# KiCad board reg.kicad_pcb (continued)
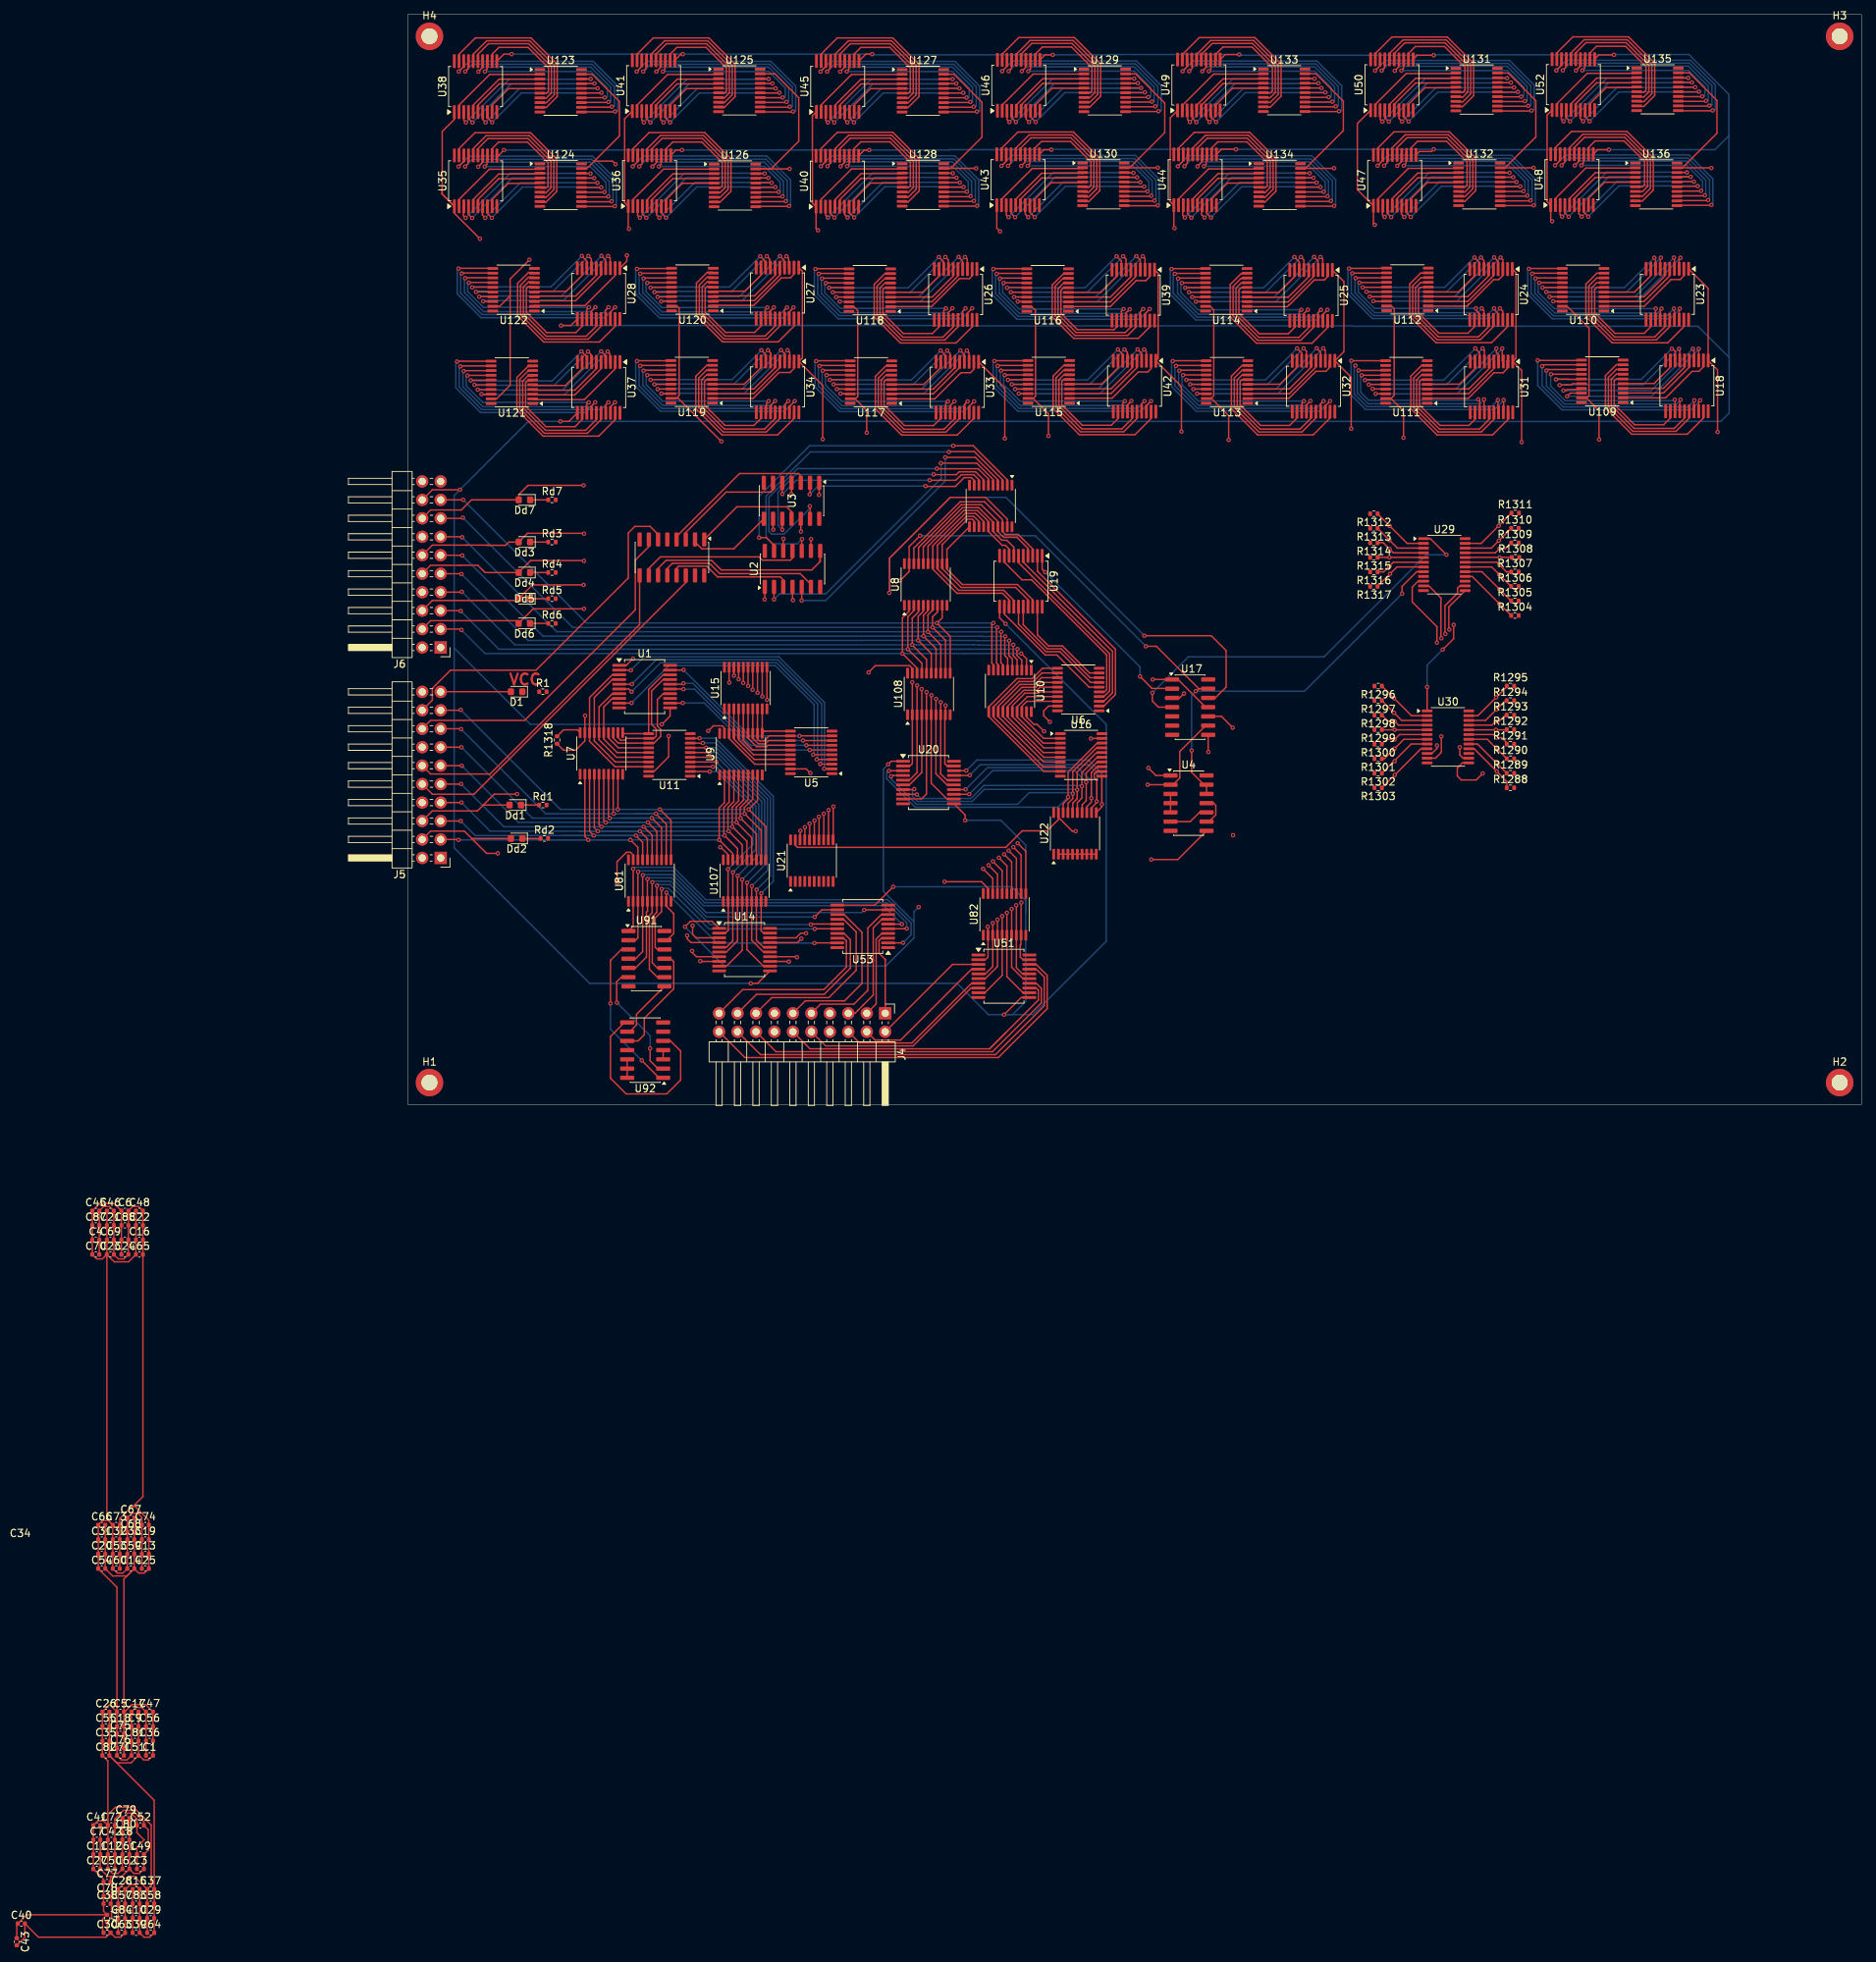
[diagram p0: board, top side]
## Routing (per net, layer and track width the routed paths; a pad name or vN(x,y) marks a point on that pad's centre or on a via; arc(x,y) is an arc through that point) (continued)
/OUT_7_10: length 242.5
  Top w0.2: U30.21 149.16,52.2 v1(149.69,52.72) 150.15,52.72 151.2,53.78 ; U125.19 50.52,141.83 53.8,138.55 53.8,132.56 49.99,128.75 U126.19 v1(52.55,128.75) 52.6,128.8
  In3.Cu w0.2: v1(149.69,52.72) 154.05,52.72 181.9,80.58 181.9,112.43 176.01,118.32 66.03,118.32 55.55,128.8 52.6,128.8 v1(52.55,128.75)
/OUT_7_11: length 216
  Top w0.2: U127.19 75.15,141.78 79,137.93 79,133.12 74.71,128.83 U128.19 v1(78.2,128.83) ; 151.2,51.78 150.98,51.55 v1(149.71,51.55) U30.20
  In3.Cu w0.2: v1(78.2,128.83) 78.23,128.8 81.05,128.8 91.13,118.72 176.18,118.72 182.3,112.6 182.3,80.41 153.44,51.55 v1(149.71,51.55)
/OUT_7_12: length 193
  Top w0.2: 151.2,49.78 150.5,50.47 v1(149.78,50.47) 149.35,50.9 U30.19 ; U129.19 100.13,141.83 104.15,137.82 104.15,133.75 99.31,128.91 U130.19 v1(103.2,128.91)
  In3.Cu w0.2: v1(103.2,128.91) 103.3,128.81 105.41,128.81 115.1,119.12 176.34,119.12 182.7,112.76 182.7,80.25 152.93,50.47 v1(149.78,50.47)
/OUT_7_13: length 171.1
  Top w0.2: R1290.1 v1(149.89,48.89) 148.53,50.25 U30.18 ; v1(127.45,128.85) 127.43,128.83 U134.19 123.53,128.83 128.72,134.02 128.72,138.07 124.94,141.85 U133.19
  In3.Cu w0.2: v1(149.89,48.89) 151.91,48.89 183.1,80.08 183.1,112.93 176.51,119.52 142.26,119.52 132.92,128.85 v1(127.45,128.85)
/OUT_7_14: length 145.7
  Top w0.2: U131.19 151.4,141.95 155.2,138.14 155.2,133.15 150.95,128.9 U132.19 v1(154.9,128.9) ; R1289.1 v1(149.79,46.99) 147.18,49.6 U30.17
  In3.Cu w0.2: v1(154.9,128.9) 156.55,128.9 165.54,119.92 176.68,119.92 183.5,113.09 183.5,79.92 150.57,46.99 v1(149.79,46.99) 149.8,46.97
/OUT_7_15: length 130.7
  Top w0.2: U135.19 176.31,141.98 180.12,138.17 180.12,133.66 175.36,128.9 U136.19 179.32,128.9 v1(179.35,128.87) ; R1288.1 151.2,44.46 v1(149.83,45.83) 146.71,48.95 U30.16
  In3.Cu w0.2: v1(149.83,45.83) 149.98,45.83 183.9,79.75 183.9,113.26 179.95,117.21 179.95,128.28 v1(179.35,128.87)
/r1_out0: length 31.3
  Top w0.2: 42.9,23.57 43.77,23.57 ; v1(41.55,45.81) 41.53,45.83 U11.2 ; U14.2 43.72,23.57 44.1,23.96 44.1,27.9 44.08,27.93 v1(44.08,32.38)
  Bottom w0.2: v1(44.08,32.38) 47.5,35.8 47.5,40.85 42.54,45.81 v1(41.55,45.81)
/r1_out1: length 33.3
  Top w0.2: 42.9,21.62 43.85,21.62 44.72,22.5 U107.3 44.72,31.93 v1(44.75,31.95) ; U11.3 42,46.47 v1(42.01,46.46)
  Bottom w0.2: v1(42.01,46.46) 42.45,46.46 47.9,41.01 47.9,35.1 v1(44.75,31.95)
/r1_out2: length 34.9
  Top w0.2: 42.9,20.97 43.85,20.97 45.38,22.5 U107.4 45.38,31.43 v1(45.4,31.45) ; U11.4 42.44,47.12 v1(42.45,47.13)
  Bottom w0.2: v1(42.45,47.13) 48.3,41.28 48.3,34.35 v1(45.4,31.45)
/r1_out3: length 38
  Top w0.2: 38.88,47.78 41.98,47.78 v1(41.99,47.79) ; v1(46.03,30.95) 46.03,30.95 U107.5 46.03,21.2 43.85,19.03 42.9,19.03
  Bottom w0.2: v1(41.99,47.79) 42.64,47.79 48.7,41.73 48.7,33.62 v1(46.03,30.95)
/r1_out4: length 38.7
  Top w0.2: v1(46.69,30.51) 46.67,30.49 U107.6 46.67,21.3 48.95,19.03 49.9,19.03 ; v1(41.49,48.41) 41.47,48.42 U11.6
  Bottom w0.2: v1(41.49,48.41) 42.58,48.41 49.1,41.89 49.1,32.91 v1(46.69,30.51)
/r1_out5: length 37.1
  Top w0.2: v1(47.35,30.05) 47.33,30.03 U107.7 47.33,22.6 48.95,20.97 49.9,20.97 ; 38.88,49.08 41.05,49.08 v1(41.06,49.08)
  Bottom w0.2: v1(47.35,30.05) 49.5,32.2 49.5,42.06 42.47,49.08 v1(41.06,49.08)
/r1_out6: length 36.9
  Top w0.2: v1(48,29.55) 47.97,29.53 U107.8 47.97,22.6 48.95,21.62 49.9,21.62 ; v1(40.61,49.74) 40.59,49.72 U11.8
  Bottom w0.2: v1(40.61,49.74) 42.38,49.74 49.9,42.22 49.9,31.45 v1(48,29.55)
/r1_out7: length 35.3
  Top w0.2: 49.9,23.57 48.95,23.57 48.62,23.9 U107.9 48.62,29.03 v1(48.65,29.05) ; U11.9 40.12,50.38 v1(40.15,50.4)
  Bottom w0.2: v1(48.65,29.05) 50.3,30.7 50.3,42.39 42.29,50.4 v1(40.15,50.4)
/r1_out8: length 97.9
  Top w0.2: v1(75.05,90.65) 77.8,90.65 82.49,85.96 U12.2 ; U2.13 50.4,76.95 49.35,78 v1(48.35,78) ; v1(69.42,58.11) 69.42,58.1 U108.2 69.42,46.9 69.1,46.58 U20.2
  In4.Cu w0.2: v1(69.42,58.11) 67.35,60.18 67.35,62.19 75.05,69.89 v1(75.05,90.65)
  Bottom w0.2: v1(75.05,90.65) 55.3,90.65 48.35,83.7 v1(48.35,78)
/r1_out9: length 102.2
  Top w0.2: U2.10 54.21,77.76 v1(54.25,77.8) ; v1(74.45,89.8) 74.5,89.85 77.95,89.85 81.84,85.96 U12.3 ; U20.5 69.02,44.62 70.08,45.68 U108.3 70.08,57.66 v1(70.08,57.66)
  In4.Cu w0.2: v1(70.08,57.66) 69.93,57.51 69.17,57.51 66.95,59.73 66.95,62.4 74.55,70 74.55,89.7 v1(74.45,89.8)
  Bottom w0.2: v1(54.25,77.8) 53.6,77.15 50.2,77.15 49.3,78.05 49.3,83.73 53.47,87.9 53.5,87.9 55.4,89.8 v1(74.45,89.8) 74.6,89.65
/r1_out10: length 93.5
  Top w0.2: U20.6 69.02,43.97 70.72,45.68 70.72,57.14 v1(70.7,57.16) ; 54.21,71.22 54.21,69.36 v1(54.2,69.35) ; U12.4 81.19,85.96 78.1,89.05 v1(73.95,89.05)
  In4.Cu w0.2: v1(73.95,89.05) 73.95,69.97 66.55,62.57 66.55,59.57 69.06,57.06 70.6,57.06 v1(70.7,57.16)
  Bottom w0.2: v1(54.2,69.35) 57.5,69.35 73.95,85.8 v1(73.95,89.05)
/r1_out11: length 98.7
  Top w0.2: v1(50.4,69.5) 50.4,71.22 ; v1(73.35,88.25) 78.29,88.25 80.54,86 U12.5 ; U20.9 69.1,42.03 69.12,42.05 70.7,42.05 71.38,42.72 U108.5 71.38,56.73 v1(71.38,56.74)
  In4.Cu w0.2: v1(71.38,56.74) 71.2,56.56 68.99,56.56 66.15,59.4 66.15,62.73 73.55,70.13 73.55,88.05 v1(73.35,88.25)
  Bottom w0.2: v1(73.35,88.25) 73.4,88.2 73.4,86.15 57.5,70.25 51.15,70.25 v1(50.4,69.5)
/r1_out12: length 102.3
  Top w0.2: v1(55.32,82.32) 55.35,82.3 U3.13 ; U20.12 74.2,42.03 72.03,44.2 U108.6 72.03,56.28 v1(72.05,56.3) ; v1(72.8,87.5) 72.81,87.49 78.49,87.49 79.89,86.09 U12.6
  In4.Cu w0.2: v1(72.05,56.3) 71.89,56.14 68.84,56.14 65.75,59.23 65.75,62.9 72.95,70.1 72.95,87.35 v1(72.8,87.5)
  Bottom w0.2: v1(72.8,87.5) 53.64,87.5 49.7,83.56 49.7,78.85 50.05,78.5 51.8,78.5 55.32,82.03 v1(55.32,82.32)
/r1_out13: length 90.3
  Top w0.2: U12.7 79.24,85.96 78.14,87.06 75.86,87.06 75.47,86.67 72.38,86.67 v1(72.35,86.7) ; v1(72.68,55.81) 72.67,55.8 U108.7 72.67,45.5 74.2,43.97 U20.15 ; v1(51.55,79.1) 51.54,79.11 U3.10
  In4.Cu w0.2: v1(72.68,55.81) 72.57,55.7 68.72,55.7 65.35,59.07 65.35,63.06 72.4,70.11 72.4,86.65 v1(72.35,86.7)
  Bottom w0.2: v1(72.35,86.7) 53.4,86.7 50.95,84.25 50.95,79.7 v1(51.55,79.1)
/r1_out14: length 82.7
  Top w0.2: U12.8 78.59,85.96 77.89,86.66 76.16,86.66 75.4,85.9 v1(71.8,85.9) ; v1(73.34,55.36) 73.33,55.34 U108.8 73.33,45.5 74.2,44.62 U20.16 ; v1(51.55,84) 51.54,84.01 U3.5
  In4.Cu w0.2: v1(73.34,55.36) 73.2,55.21 68.64,55.21 64.95,58.9 64.95,63.23 71.9,70.18 71.9,85.8 v1(71.8,85.9)
  Bottom w0.2: v1(71.8,85.9) 53.45,85.9 v1(51.55,84)
/r1_out15: length 75.8
  Top w0.2: v1(74,54.9) 73.97,54.88 U108.9 73.9,53.55 73.9,46.88 74.2,46.58 U20.19 ; U3.2 55.35,84 v1(55.3,83.95) ; U12.9 77.94,85.88 77.56,86.26 76.56,86.26 75.35,85.05 71.3,85.05 v1(71.25,85.1)
  In4.Cu w0.2: v1(74,54.9) 73.86,54.76 68.53,54.76 64.55,58.74 64.55,63.39 71.25,70.09 v1(71.25,85.1)
  Bottom w0.2: v1(55.3,83.95) 56.45,85.1 v1(71.25,85.1)
/r1we: length 170.9
  Top w0.2: v1(136.8,70.3) 136.8,71.3 138.81,73.31 U29.8 ; v1(101.55,63.05) 103,63.05 108.84,57.21 U17.13 108.86,57.21 108.53,56.88 v1(108.43,56.88) ; v1(70.48,78.27) 68.99,76.77 U8.19 68.99,73.34 v1(67.75,72.1) ; R1318.1 21.44,48.75 23.1,48.75 24.38,50.03 U7.19 24.38,53.47 v1(24.4,53.5) ; U4.12 U4.13 109.55,44 107.85,45.7 v1(107.85,48.7)
  In3.Cu w0.2: v1(24.4,53.5) 26.75,55.85 31.05,55.85 47.3,72.1 v1(67.75,72.1)
  Bottom w0.2: v1(70.48,78.27) 86.33,78.27 v1(101.55,63.05) ; v1(136.8,70.3) 123.38,56.88 v1(108.43,56.88) 107.85,56.3 v1(107.85,48.7)
/write_enable: length 207.2
  Top w0.2: v1(143.9,66) 143.9,64.1 v1(142.4,62.6) ; 104.21,55.94 U17.3 106.19,55.94 v1(106.8,56.55) ; J6.16 3.15,81.81 7.39,81.81 8.77,83.2 Dd7.2 15.27,83.92 16.55,85.2 v1(24.2,85.2) ; U30.1 v1(140.25,57.45)
  In3.Cu w0.2: 143.6,66 144.05,66 111.45,66 100.05,77.4 74.05,77.4 71.6,79.85 29.55,79.85 v1(24.2,85.2) ; v1(142.4,62.6) 112.85,62.6 v1(106.8,56.55) ; 143.88,66 v1(143.9,66)
  Bottom w0.2: 16.5,85.15 16.55,85.2 ; v1(140.25,57.45) 140.25,60.45 v1(142.4,62.6)
Net-(Dd1-K): length 2.4
  Top w0.2: Dd1.1 18.01,41.2
Net-(Dd2-K): length 2.2
  Top w0.2: Dd2.1 18,36.6
Net-(Dd3-K): length 2.5
  Top w0.2: Dd3.1 Rd3.1
Net-(Dd4-K): length 2.5
  Top w0.2: Dd4.1 Rd4.1
Net-(Dd5-K): length 2.5
  Top w0.2: Dd5.1 Rd5.1
Net-(Dd6-K): length 2.5
  Top w0.2: Dd6.1 Rd6.1
Net-(Dd7-K): length 2.5
  Top w0.2: Dd7.1 Rd7.1
Net-(U4-Pad3): length 2.5
  Top w0.2: U4.3 U4.4 U4.5
Net-(U4-Pad10): length 5.5
  Top w0.2: U4.10 108.93,40.19 107.66,38.92 U4.6
Net-(U4-Pad11): length 4.4
  Top w0.2: U4.9 110.25,38.92 111.18,39.85 111.18,41.16 110.87,41.46 U4.11
Net-(U29-COM): length 56.6
  Top w0.2: U29.1 140.69,77.86 v1(142.9,75.65) ; v1(102.45,56.65) 102.45,55.5 103.28,54.67 U17.4
  Bottom w0.2: v1(142.9,75.65) 140.12,75.65 126.07,61.6 107.4,61.6 v1(102.45,56.65)
Net-(U91-Pad3): length 22.6
  Top w0.2: v1(32.2,6.05) 32.2,6.04 34.59,3.66 U92.1 ; v1(27.9,13.9) 27.9,19.82 29.4,21.32 U91.3
  Bottom w0.2: v1(32.2,6.05) 27.9,10.35 v1(27.9,13.9)
Net-(U91-Pad6): length 17.6
  Top w0.2: 34.43,4.93 U92.2 34.43,4.93 ; 34.43,4.93 33.35,6.01 v1(33.35,7.7) ; U91.6 29.4,17.51 28.75,16.86 28.75,14.05 v1(28.8,14)
  Bottom w0.2: v1(33.35,7.7) 33.35,9.45 v1(28.8,14)
Net-(U91-Pad8): length 8.6
  Top w0.2: U91.8 31.48,12.39 31.48,10.94 30.55,10.01 U92.9
Net-(U91-Pad11): length 15.9
  Top w0.2: U92.10 31.7,8.74 32.55,9.59 32.55,11.85 36.6,15.9 36.6,19.65 36.2,20.05 U91.11
Net-(U92-Pad3): length 1.3
  Top w0.2: U92.3 U92.4
Net-(U92-Pad5): length 27.2
  Top w0.2: U92.8 29.84,11.28 27.9,9.34 27.9,3.6 30.05,1.44 35.65,1.44 37.55,3.35 37.55,7.34 36.16,8.74 U92.5

## Text on the board
Top: VCC
